# Altium PCB RUMBA32.PcbDoc (part 2 of 3) (continued)
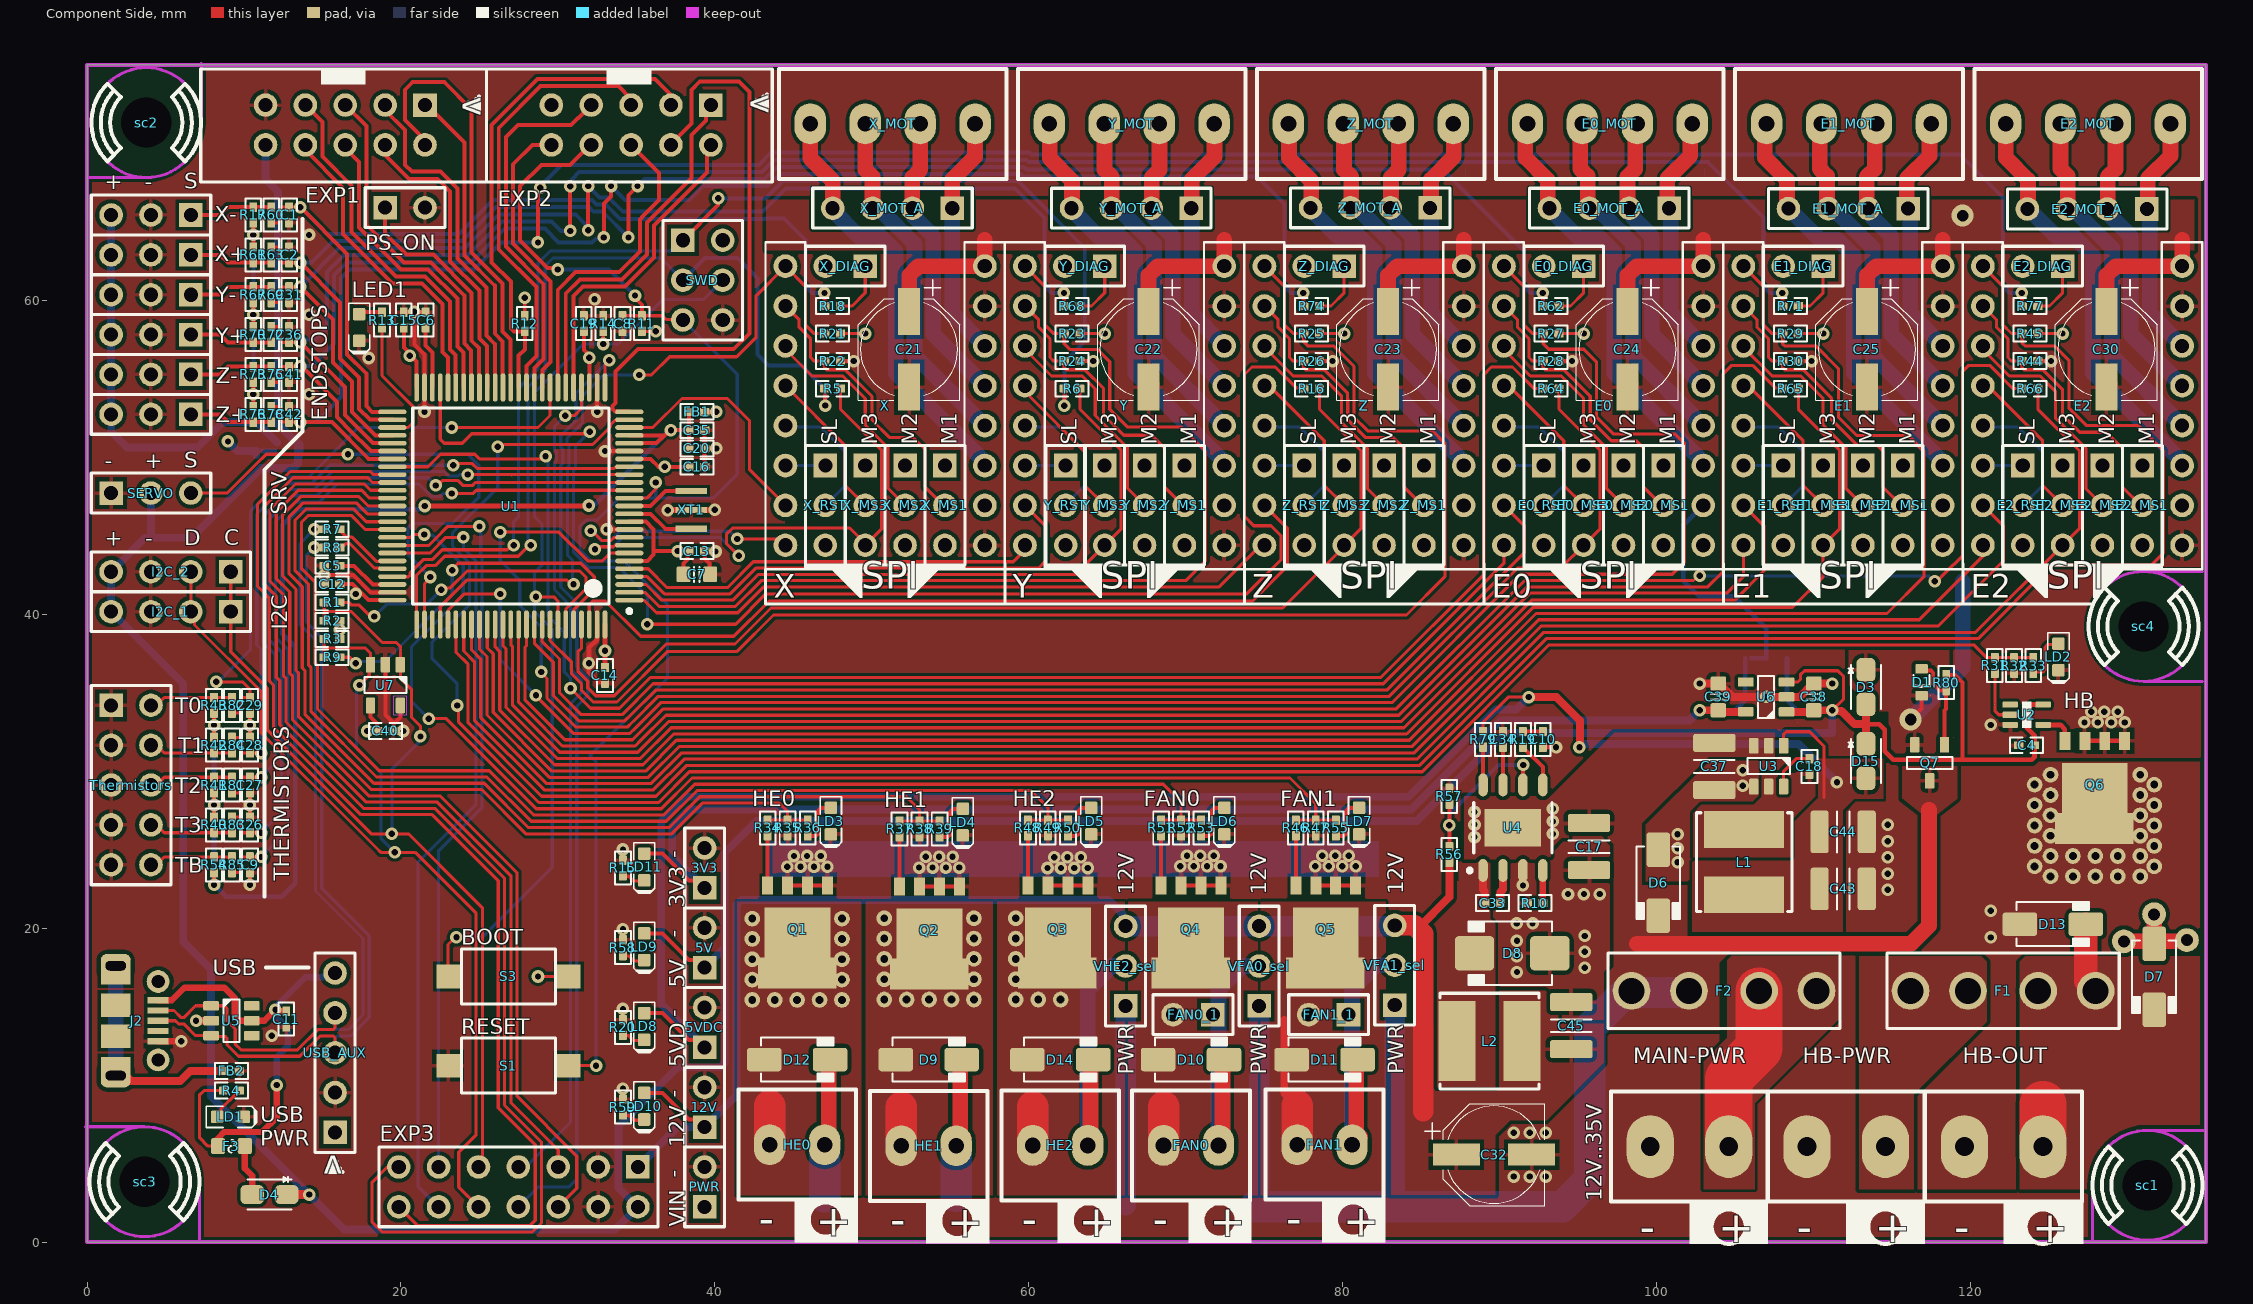
[diagram p0: Component Side view]
## Nets (pads, with @x,y where several pads share a name; then routed paths per layer and width w, separated by ;. In a path a pad name is that pad's centre, name@x,y a point inside that pad or via, vN(x,y) a via of type N, cw(c..) or ccw(c..) an arc to the next point about the centre after c; other vN are vias at no path point) (continued)
NetC33_2: C33.2 D8.K L2.1 U4.1 | length 2.8
  Component Side w0.4: D8.K@88.545,18.855 D8.K@89,18.4
  Component Side w0.5: U4.1@88.945,23.675 88.945,22.456 89.057,22.343 C33.2@89.057,21.596
NetC34_2: C34.2 U4.7 | length 2.4
  Component Side w0.254: U4.7@90.215,29.125 C34.2@90.215,31.526
NetD1_A: D1.A Q7.1 R80.1 | length 6
  Component Side w0.254: D1.A@116.889,36.514 116.993,36.411 117.481,36.411 117.63,36.262 117.63,35.565 118.044,35.152 118.444,35.152 R80.1@118.457,35.138 118.457,33.977 118.347,33.867 Q7.1@118.347,31.685
NetD4_A: D4.A F3.2 | length 3.3
  Component Side w0.4: F3.2@10.05,6.114 10.05,4.688 10.52,4.218 D4.A@10.52,3.026
NetD9_A: D9.A HE1.2 pad.2@50.791,15.451 pad.2@50.791,16.746 pad.2@50.791,18.042 pad.2@50.791,19.337 pad.2@50.791,20.632 pad.2@52.22,15.451 pad.2@53.649,15.451 pad.2@55.077,15.451 pad.2@56.506,15.451 pad.2@56.506,16.746 pad.2@56.506,18.042 pad.2@56.506,19.337 pad.2@56.506,20.632 Q2.2 | length 5
  Component Side w2: HE1.2@51.876,6.129 51.876,8.598
  Solder Side w2: HE1.2@51.876,6.129 51.876,8.638
NetD10_A: D10.A FAN0.2 FAN0_1.2 Q4.2 | length 2.5
  Component Side w2: FAN0.2@68.589,6.154 68.589,8.623
NetD10_K: D10.K FAN0.1 FAN0_1.1 VFA0_sel.2 | length 18.4
  Component Side w1: FAN0.1@72.089,6.154 72.35,6.415 D10.K@72.35,11.5
  Solder Side w1: FAN0.1@72.089,6.154 72.089,16.06 73.613,17.584 VFA0_sel.2@74.502,17.584
NetD11_A: D11.A FAN1.2 FAN1_1.2 Q5.2 | length 8.3
  Component Side w0.5: 76.28,14.155 76.28,11.627 76.28,9.492 77.098,8.674
  Component Side w2: FAN1.2@77.098,6.205 77.098,8.674
NetD11_K: D11.K FAN1.1 FAN1_1.1 VFA1_sel.2 | length 18.7
  Component Side w1: FAN1.1@80.598,6.205 FAN1.1@81.1,6.707 ; FAN1.1@80.859,6.466 D11.K@80.859,11.551
  Solder Side w1: FAN1.1@80.598,6.205 80.598,16.111 82.122,17.635 VFA1_sel.2@83.011,17.635
NetD12_A: D12.A HE0.2 pad.2@42.384,15.425 pad.2@42.384,16.721 pad.2@42.384,18.016 pad.2@42.384,19.312 pad.2@42.384,20.607 pad.2@43.812,15.425 pad.2@45.241,15.425 pad.2@46.67,15.425 pad.2@48.099,15.425 pad.2@48.099,16.721 pad.2@48.099,18.016 pad.2@48.099,19.312 pad.2@48.099,20.607 Q1.2 | length 4.9
  Component Side w2: HE0.2@43.494,6.205 43.494,8.674
  Solder Side w2: HE0.2@43.494,6.205 43.494,8.613
NetD13_A: D13.A HB-OUT.1 pad.2@124.087,23.934 pad.2@124.087,25.236 pad.2@124.087,26.538 pad.2@124.087,27.84 pad.2@124.087,29.141 pad.2@125.103,23.299 pad.2@125.103,24.595 pad.2@125.103,25.89 pad.2@125.103,27.186 pad.2@125.103,28.481 pad.2@125.103,29.776 pad.2@126.531,23.299 pad.2@126.531,24.595 pad.2@127.96,23.299 pad.2@127.96,24.595 pad.2@129.389,23.299 pad.2@129.389,24.595 pad.2@130.818,23.299 pad.2@130.818,24.595 pad.2@130.818,25.89 pad.2@130.818,27.186 pad.2@130.818,28.481 pad.2@130.818,29.776 pad.2@131.707,23.934 pad.2@131.707,25.236 pad.2@131.707,26.538 pad.2@131.707,27.84 pad.2@131.707,29.141 Q6.2
  other v1: 121.3,19.408 121.3,21.1
NetD14_A: D14.A HE2.2 pad.2@59.173,15.451 pad.2@59.173,16.746 pad.2@59.173,18.042 pad.2@59.173,19.337 pad.2@59.173,20.632 pad.2@60.602,15.451 pad.2@62.031,15.451 Q3.2 | length 4.9
  Component Side w2: HE2.2@60.258,6.154 60.258,8.623
  Solder Side w2: HE2.2@60.258,6.154 60.258,8.573
NetD14_K: D14.K HE2.1 VHE2_sel.2 | length 18.3
  Component Side w1: HE2.1@63.6,6.312 HE2.1@63.758,6.154 ; HE2.1@63.94,6.494 D14.K@63.94,11.579
  Solder Side w1: HE2.1@63.758,6.154 63.758,16.06 65.282,17.584 VHE2_sel.2@66.171,17.584
NetE0_2: E0.2 E0_MS1.2 R28.1 | length 18.9
  Component Side w0.2: E0.2@90.3,59.611 91.144,58.766 91.144,58.275 91.874,57.545 91.874,56.358 92.102,56.13 R28.1@92.781,56.13 92.781,55.693 92.898,55.576 94.091,55.576 95.78,53.888 95.78,52.394 97.119,51.055 98.695,51.055 99.174,50.576 99.174,48.096 E0_MS1.2@100.334,46.936
NetE0_3: E0.3 E0_MS2.2 | length 14.2
  Component Side w0.2: E0.3@90.274,56.866 91.964,55.176 93.926,55.176 95.354,53.748 95.354,52.058 96.804,50.608 96.804,48.026 E0_MS2.2@97.894,46.936
NetE0_4: E0.4 E0_MS3.2 | length 9.6
  Component Side w0.2: E0.4@90.583,54.556 94.084,51.055 94.084,48.206 E0_MS3.2@95.354,46.936
NetE0_5: E0.5 E0_RST.2 | length 8.3
  Solder Side w0.2: E0.5@90.37,51.92 92.518,51.92 94.084,50.354 94.084,48.206 E0_RST.2@92.814,46.936
NetE0_11: E0.11 E0_MOT.1 E0_MOT_A.4 | length 27.2
  Component Side w1: E0_MOT.1@91.643,71.295 91.643,69.098 93.068,67.673 E0_MOT_A.4@93.068,65.921
  Solder Side w1: E0_MOT_A.4@93.281,65.87 93.281,65.735 95.061,63.954 96.427,63.954 97.298,63.083 97.298,55.373 102.719,49.951 102.719,49.869 102.974,49.614 E0.11@102.974,49.476
NetE0_12: E0.12 E0_MOT.2 E0_MOT_A.3 | length 22.6
  Component Side w1: E0_MOT.2@95.143,71.295 95.143,68.392 95.608,67.927 E0_MOT_A.3@95.608,65.921
  Solder Side w1: E0_MOT_A.3@95.821,65.87 95.854,65.87 96.104,65.62 96.458,65.62 97.658,64.42 97.67,64.42 98.498,63.592 98.498,56.492 E0.12@102.974,52.016
NetE0_13: E0.13 E0_MOT.3 E0_MOT_A.2 | length 18.8
  Component Side w1: E0_MOT_A.2@98.148,65.921 98.148,67.876 98.643,68.372 E0_MOT.3@98.643,71.295
  Solder Side w1: E0_MOT_A.2@98.361,65.87 98.456,65.774 98.456,65.331 99.698,64.089 99.698,57.832 E0.13@102.974,54.556
NetE0_14: E0.14 E0_MOT.4 E0_MOT_A.1 | length 15.6
  Component Side w1: E0_MOT_A.1@100.688,65.921 100.688,67.749 102.143,69.205 E0_MOT.4@102.143,71.295
  Solder Side w1: E0_MOT_A.1@100.901,65.87 100.901,59.17 E0.14@102.974,57.096
NetE0_DIAG_1: E0_DIAG.1 R62.1 | length 3.6
  Component Side w0.2: R62.1@93.805,59.636 94.517,59.636 95.354,60.473 E0_DIAG.1@95.354,62.176
NetE1_2: E1.2 E1_MS1.2 R30.1 | length 18.7
  Component Side w0.2: E1.2@105.558,59.611 106.402,58.766 106.402,58.275 107.132,57.545 107.132,56.358 107.361,56.13 R30.1@108.039,56.13 108.039,55.693 108.156,55.576 109.35,55.576 111.14,53.786 111.14,52.43 112.824,50.746 114.074,50.746 114.432,50.388 114.432,48.096 E1_MS1.2@115.592,46.936
NetE1_3: E1.3 E1_MS2.2 | length 14.4
  Component Side w0.2: E1.3@105.532,57.096 105.532,57.015 107.371,55.176 109.184,55.176 110.613,53.748 110.613,52.058 112.062,50.608 112.062,48.026 E1_MS2.2@113.152,46.936
NetE1_4: E1.4 E1_MS3.2 | length 9.6
  Component Side w0.2: E1.4@105.841,54.556 109.342,51.055 109.342,48.206 E1_MS3.2@110.612,46.936
NetE1_5: E1.5 E1_RST.2 | length 8.3
  Solder Side w0.2: E1.5@105.629,51.92 107.776,51.92 109.342,50.354 109.342,48.206 E1_RST.2@108.072,46.936
NetE1_11: E1.11 E1_MOT.1 E1_MOT_A.4 | length 27
  Component Side w1: E1_MOT.1@106.893,71.295 106.893,69.098 108.318,67.673 E1_MOT_A.4@108.318,65.921
  Solder Side w1: E1_MOT_A.4@108.539,65.87 108.539,65.735 110.427,63.846 111.562,63.846 112.556,62.852 112.556,55.373 117.978,49.951 117.978,49.869 118.232,49.614 E1.11@118.232,49.476
NetE1_12: E1.12 E1_MOT.2 E1_MOT_A.3 | length 22.5
  Component Side w1: E1_MOT.2@110.393,71.295 110.393,68.392 110.858,67.927 E1_MOT_A.3@110.858,65.921
  Solder Side w1: E1_MOT_A.3@111.079,65.844 111.329,65.594 111.511,65.594 113.756,63.349 113.756,56.492 E1.12@118.232,52.016
NetE1_13: E1.13 E1_MOT.3 E1_MOT_A.2 | length 18.8
  Component Side w1: E1_MOT_A.2@113.398,65.921 113.398,67.876 113.893,68.372 E1_MOT.3@113.893,71.295
  Solder Side w1: E1_MOT_A.2@113.619,65.87 113.715,65.774 113.715,65.331 114.956,64.089 114.956,57.832 E1.13@118.232,54.556
NetE1_14: E1.14 E1_MOT.4 E1_MOT_A.1 | length 15.6
  Component Side w1: E1_MOT_A.1@115.938,65.921 115.938,67.749 117.393,69.205 E1_MOT.4@117.393,71.295
  Solder Side w1: E1_MOT_A.1@116.159,65.87 116.159,59.17 E1.14@118.232,57.096
NetE1_DIAG_1: E1_DIAG.1 R71.1 | length 3.6
  Component Side w0.2: R71.1@109.064,59.636 109.775,59.636 110.612,60.473 E1_DIAG.1@110.612,62.176
NetE2_2: E2.2 E2_MS1.2 R44.1 | length 18.9
  Component Side w0.2: E2.2@120.816,59.611 121.661,58.766 121.661,58.275 122.391,57.545 122.391,56.358 122.619,56.13 R44.1@123.297,56.13 123.297,55.693 123.414,55.576 124.608,55.576 125.871,54.313 125.871,52.682 126.954,51.599 128.668,51.599 129.691,50.576 129.691,48.096 E2_MS1.2@130.851,46.936
NetE2_3: E2.3 E2_MS2.2 | length 14.2
  Component Side w0.2: E2.3@120.791,56.866 122.481,55.176 124.442,55.176 125.414,54.204 125.414,52.515 127.361,50.568 127.361,47.986 E2_MS2.2@128.411,46.936
NetE2_4: E2.4 E2_MS3.2 | length 9.6
  Component Side w0.2: E2.4@121.099,54.556 124.601,51.055 124.601,48.206 E2_MS3.2@125.871,46.936
NetE2_5: E2.5 E2_RST.2 | length 8.3
  Solder Side w0.2: E2.5@120.887,51.92 123.034,51.92 124.601,50.354 124.601,48.206 E2_RST.2@123.331,46.936
NetE2_11: E2.11 E2_MOT.1 E2_MOT_A.4 | length 27
  Component Side w1: E2_MOT.1@122.243,71.295 E2_MOT.1@122.243,71.244 122.243,69.098 123.668,67.673 E2_MOT_A.4@123.668,65.921
  Solder Side w1: E2_MOT_A.4@123.797,65.87 123.797,65.735 125.445,64.087 126.563,64.087 127.814,62.835 127.814,55.373 133.236,49.951 133.236,49.869 133.491,49.614 E2.11@133.491,49.476
NetE2_12: E2.12 E2_MOT.2 E2_MOT_A.3 | length 22.5
  Component Side w1: E2_MOT.2@125.743,71.295 125.743,68.392 126.208,67.927 E2_MOT_A.3@126.208,65.921
  Solder Side w1: E2_MOT_A.3@126.337,65.87 126.337,65.785 126.399,65.723 126.623,65.723 129.014,63.332 129.014,56.492 E2.12@133.491,52.016
NetE2_13: E2.13 E2_MOT.3 E2_MOT_A.2 | length 18.8
  Component Side w1: E2_MOT_A.2@128.748,65.921 128.748,67.876 129.243,68.372 E2_MOT.3@129.243,71.295
  Solder Side w1: E2_MOT_A.2@128.877,65.87 128.973,65.774 128.973,65.331 130.214,64.089 130.214,57.832 E2.13@133.491,54.556
NetE2_14: E2.14 E2_MOT.4 E2_MOT_A.1 | length 15.6
  Component Side w1: E2_MOT_A.1@131.288,65.921 131.288,67.749 132.743,69.205 E2_MOT.4@132.743,71.244 E2_MOT.4@132.743,71.295
  Solder Side w1: E2_MOT_A.1@131.417,65.87 131.417,59.17 E2.14@133.491,57.096
NetE2_DIAG_1: E2_DIAG.1 R77.1 | length 3.6
  Component Side w0.2: R77.1@124.322,59.636 125.033,59.636 125.871,60.473 E2_DIAG.1@125.871,62.176
NetF1_0: F1.0 HB-PWR.2
NetF2_1: F2.1 MAIN-PWR.2 | length 10.7
  Component Side w3: MAIN-PWR.2@104.601,6.078 104.601,10.414 106.535,12.348 F2.1@106.535,16.004
NetFB2_1: FB2.1 J2.SHIELD USB_AUX.1 | length 31.2
  Component Side w0.2: J2.SHIELD@1.825,17.15 J2.SHIELD@2.696,18.021
  Component Side w0.5: J2.SHIELD@1.825,11.05 2.025,11.05 2.817,10.258 5.933,10.258 6.575,10.9 FB2.1@8.7,10.9
  Power Plane w0.4: J2.SHIELD@1.825,10.6 2.525,9.9 8.7,9.9 11.62,6.98 USB_AUX.1@15.8,6.98
  Solder Side w1: J2.SHIELD@1.825,10.6 J2.SHIELD@1.825,17.6
NetLD1_1: LD1.1 R4.1 | length 2.3
  Component Side w0.2: LD1.1@8.288,7.971 8.537,8.221 8.537,8.487 9.5,9.45 9.5,9.5 9.65,9.65 R4.1@9.7,9.65
  Component Side w0.254: LD1.1@8.403,7.921 LD1.1@8.453,7.921
NetLD2_1: LD2.1 R33.1 | length 3.5
  Component Side w0.2: R33.1@124.005,36.225 124.107,36.327 124.632,36.327 124.749,36.444 124.749,37.893 124.932,38.076 LD2.1@125.407,38.076 ; LD2.1@125.407,37.892 LD2.1@125.407,38.076 ; LD2.1@125.407,38.126 LD2.1@125.407,38.076 ; LD2.1@125.607,38.126 125.557,38.076 LD2.1@125.407,38.076
NetLD3_1: LD3.1 R36.1 | length 3.1
  Component Side w0.254: R36.1@45.914,25.881 45.939,25.856 46.414,25.856 46.57,26.012 46.57,27.47 46.761,27.661 47.386,27.661 LD3.1@47.393,27.668
NetLD4_1: LD4.1 R39.1 | length 3.1
  Component Side w0.254: R39.1@54.319,25.818 54.344,25.793 54.819,25.793 54.975,25.949 54.975,27.407 55.166,27.597 55.791,27.597 LD4.1@55.798,27.605
NetLD5_1: LD5.1 R50.1 | length 3.1
  Component Side w0.254: R50.1@62.499,25.881 62.524,25.856 62.999,25.856 63.155,26.012 63.155,27.47 63.346,27.661 63.971,27.661 LD5.1@63.978,27.668
NetLD6_1: LD6.1 R53.1 | length 3.1
  Component Side w0.254: R53.1@70.982,25.881 71.007,25.856 71.482,25.856 71.638,26.012 71.638,27.47 71.829,27.661 72.454,27.661 LD6.1@72.461,27.668
NetLD7_1: LD7.1 R55.1 | length 3.1
  Component Side w0.254: R55.1@79.567,25.881 79.592,25.856 80.067,25.856 80.223,26.012 80.223,27.47 80.414,27.661 81.038,27.661 LD7.1@81.046,27.668
NetLD8_2: LD8.2 R20.2 | length 1.5
  Component Side w0.2: R20.2@34.142,13.173 34.167,13.148 34.511,13.148 34.823,12.835 35.448,12.835 LD8.2@35.498,12.885
NetLD9_2: LD9.2 R58.2 | length 1.5
  Component Side w0.2: R58.2@34.142,18.253 34.167,18.228 34.511,18.228 34.823,17.915 35.448,17.915 LD9.2@35.498,17.965
NetLD10_2: LD10.2 R59.2 | length 1.5
  Component Side w0.2: R59.2@34.142,8.093 34.167,8.068 34.511,8.068 34.823,7.755 35.448,7.755 LD10.2@35.498,7.805
NetLD11_2: LD11.2 R15.2 | length 1.5
  Component Side w0.2: R15.2@34.141,23.333 34.166,23.308 34.511,23.308 34.823,22.995 35.448,22.995 LD11.2@35.498,23.045
NetLED1_1: LED1.1 R13.1 | length 1.5
  Component Side w0.254: LED1.1@17.336,59.119 17.488,59.271 18.767,59.271 R13.1@18.791,59.246
NetQ1_1: Q1.1 R34.2 | length 3.2
  Component Side w0.254: Q1.1@43.364,22.727 R34.2@43.364,25.881
NetQ2_1: Q2.1 R37.2 | length 3.2
  Component Side w0.254: Q2.1@51.769,22.664 R37.2@51.769,25.818
NetQ3_1: Q3.1 R48.2 | length 3.2
  Component Side w0.254: Q3.1@59.949,22.727 R48.2@59.949,25.881
NetQ4_1: Q4.1 R51.2 | length 3.2
  Component Side w0.254: Q4.1@68.432,22.727 R51.2@68.432,25.881
NetQ5_1: Q5.1 R46.2 | length 3.2
  Component Side w0.254: Q5.1@77.017,22.727 R46.2@77.017,25.881
NetQ6_1: Q6.1 U2.4 | length 2.2
  Component Side w0.3: U2.4@124.63,32.946 125.75,32.946 126.017,32.679 Q6.1@126.017,31.935
NetR1_1: R1.1 U1.95 | length 20.9
  Component Side w0.2: R1.1@16.112,40.754 16.665,40.754 16.823,40.596 17.319,40.596 18.052,39.863 v1(18.299,39.863) ; v1(22.569,41.565) 22.684,41.68 23.143,41.68 24.214,42.751 31.391,42.751 31.789,42.353 31.789,41.628 30.518,40.357 30.518,39.365 U1.95@30.499,39.346
  Solder Side w0.2: v1(18.299,39.863) 19.083,40.646 21.65,40.646 v1(22.569,41.565)
NetR9_1: R9.1 U1.96 | length 23.9
  Component Side w0.2: R9.1@16.112,37.258 16.73,37.258 v1(17.113,36.875) ; v1(23.269,42.796) 23.269,42.883 23.638,43.251 31.456,43.251 32.311,42.396 32.311,41.584 31.018,40.291 31.018,39.365 U1.96@30.999,39.346
  Solder Side w0.2: v1(17.113,36.875) 17.228,36.99 18.984,36.99 23.269,41.275 v1(23.269,42.796)
NetR10_2: R10.2 U4.4 | length 2.1
  Component Side w0.4: R10.2@92.755,21.596 U4.4@92.755,23.675
NetR17_2: R17.2 R60.1 X-.1 | length 5.3
  Component Side w0.254: X-.1@6.612,65.438 8.473,65.438 8.973,65.938 R17.2@10.59,65.938 R60.1@11.733,65.938
NetR18_1: R18.1 X_DIAG.1 | length 3.6
  Component Side w0.2: R18.1@48.031,59.636 48.742,59.636 49.579,60.473 X_DIAG.1@49.579,62.176
NetR19_2: R19.2 U4.5 | length 3
  Component Side w0.254: R19.2@91.485,31.526 91.485,31.476 91.608,31.353 91.658,31.353 92.755,30.256 U4.5@92.755,29.125
NetR22_1: R22.1 X.2 X_MS1.2 | length 19
  Component Side w0.2: X.2@44.499,59.636 44.499,59.611 44.525,59.611 45.369,58.766 45.369,58.275 46.099,57.545 46.099,56.358 46.327,56.13 R22.1@47.006,56.13 47.006,55.693 47.123,55.576 48.316,55.576 50.012,53.881 50.012,52.379 51.122,51.269 52.623,51.269 53.399,50.493 53.399,48.096 X_MS1.2@54.559,46.936
  Component Side w0.254: X_MS1.2@54.559,46.936 X_MS1.2@54.659,46.936
NetR24_1: R24.1 Y.2 Y_MS1.2 | length 19
  Component Side w0.2: Y.2@59.783,59.611 60.627,58.766 60.627,58.275 61.357,57.545 61.357,56.358 61.586,56.13 R24.1@62.264,56.13 62.264,55.693 62.381,55.576 63.575,55.576 64.763,54.388 64.763,52.698 66.058,51.403 67.83,51.403 68.657,50.576 68.657,48.096 Y_MS1.2@69.817,46.936
NetR26_1: R26.1 Z.2 Z_MS1.2 | length 19
  Component Side w0.2: Z.2@75.041,59.611 75.886,58.766 75.886,58.275 76.616,57.545 76.616,56.358 76.844,56.13 R26.1@77.522,56.13 77.522,55.693 77.639,55.576 78.833,55.576 80.318,54.091 80.318,53.702 80.324,53.696 80.324,52.396 81.467,51.253 83.239,51.253 83.916,50.576 83.916,48.096 Z_MS1.2@85.076,46.936
NetR31_2: R31.2 U2.2 | length 3.5
  Component Side w0.2: R31.2@121.555,36.238 121.555,33.841 121.8,33.596 U2.2@122.53,33.596
NetR56_2: R56.2 R57.2 U4.6 | length 10.7
  Component Side w0.254: R56.2@86.8,25.2 R57.2@86.8,27.9 ; U4.6@91.499,29.141 v1(91.499,30.396)
  Solder Side w0.254: v1(86.8,26.55) 86.8,27.278 89.918,30.396 v1(91.499,30.396)
NetR61_2: R61.2 R63.1 X+.1 | length 5.3
  Component Side w0.254: X+.1@6.612,62.898 8.473,62.898 8.973,62.398 R61.2@10.59,62.398 ; R61.2@10.59,62.398 R63.1@11.733,62.398
NetR67_2: R67.2 R69.1 Y-.1 | length 5.3
  Component Side w0.254: Y-.1@6.612,60.358 8.473,60.358 8.973,60.858 R67.2@10.59,60.858 R69.1@11.733,60.858
NetR68_1: R68.1 Y_DIAG.1 | length 3.6
  Component Side w0.2: R68.1@63.289,59.636 64,59.636 64.837,60.473 Y_DIAG.1@64.837,62.176
NetR70_2: R70.2 R72.1 Y+.1 | length 5.3
  Component Side w0.254: Y+.1@6.612,57.818 8.473,57.818 8.973,57.318 R70.2@10.59,57.318 ; R70.2@10.59,57.318 R72.1@11.733,57.318
NetR73_2: R73.2 R75.1 Z-.1 | length 5.3
  Component Side w0.254: Z-.1@6.612,55.278 8.473,55.278 8.973,55.778 R73.2@10.59,55.778 R75.1@11.733,55.778
NetR74_1: R74.1 Z_DIAG.1 | length 3.6
  Component Side w0.2: R74.1@78.547,59.636 79.258,59.636 80.096,60.473 Z_DIAG.1@80.096,62.176
NetR76_2: R76.2 R78.1 Z+.1 | length 5.3
  Component Side w0.254: Z+.1@6.612,52.738 8.473,52.738 8.973,52.238 R76.2@10.59,52.238 ; R76.2@10.59,52.238 R78.1@11.733,52.238
NetR79_1: R79.1 U4.8 | length 2.4
  Component Side w0.254: U4.8@88.945,29.125 R79.1@88.945,31.526
NetU1_12: U1.12 XT1.3 | length 4.3
  Component Side w0.254: U1.12@34.549,46.396 35.899,46.396 36.849,45.446 XT1.3@38.499,45.446
NetU1_13: U1.13 XT1.1 | length 4.3
  Component Side w0.254: U1.13@34.549,46.896 35.899,46.896 36.849,47.846 XT1.1@38.499,47.846
NetX_3: X.3 X_MS2.2 | length 14.5
  Component Side w0.2: X.3@44.499,57.096 44.499,56.866 46.189,55.176 48.151,55.176 49.579,53.748 49.579,52.058 51.029,50.608 51.029,48.026 X_MS2.2@52.119,46.936
NetX_4: X.4 X_MS3.2 | length 9.7
  Component Side w0.2: X.4@44.499,54.556 48.309,50.746 48.309,48.206 X_MS3.2@49.579,46.936
NetX_5: X.5 X_RST.2 | length 8.7
  Component Side w0.2: X.5@44.245,52.016 X.5@44.499,52.016
  Solder Side w0.2: X.5@44.499,52.016 44.595,51.92 46.743,51.92 48.309,50.354 48.309,48.206 X_RST.2@47.039,46.936
NetX_11: X.11 X_MOT.1 X_MOT_A.4 | length 27.2
  Component Side w1: X_MOT.1@46.081,71.244 46.081,69.047 47.506,67.622 X_MOT_A.4@47.506,65.87
  Solder Side w1: X_MOT_A.4@47.506,65.87 47.506,65.735 49.153,64.087 50.531,64.087 51.523,63.095 51.523,55.373 56.944,49.951 56.944,49.869 57.199,49.614 X.11@57.199,49.476
NetX_12: X.12 X_MOT.2 X_MOT_A.3 | length 22.6
  Component Side w1: X_MOT.2@49.581,71.244 49.581,68.341 50.046,67.876 X_MOT_A.3@50.046,65.87
  Solder Side w1: X_MOT_A.3@50.046,65.87 50.141,65.774 50.541,65.774 52.723,63.592 52.723,56.492 X.12@57.199,52.016
NetX_13: X.13 X_MOT.3 X_MOT_A.2 | length 18.8
  Component Side w1: X_MOT_A.2@52.586,65.87 52.586,67.826 53.081,68.321 X_MOT.3@53.081,71.244
  Solder Side w1: X_MOT_A.2@52.586,65.87 52.681,65.774 52.681,65.331 53.923,64.089 53.923,57.832 X.13@57.199,54.556
NetX_14: X.14 X_MOT.4 X_MOT_A.1 | length 15.6
  Component Side w1: X_MOT_A.1@55.126,65.87 55.126,67.699 56.581,69.154 X_MOT.4@56.581,71.244
  Solder Side w1: X_MOT_A.1@55.126,65.87 55.126,59.17 X.14@57.199,57.096
NetY_3: Y.3 Y_MS2.2 | length 14.2
  Component Side w0.2: Y.3@59.757,56.866 61.447,55.176 63.409,55.176 64.232,54.353 64.232,52.664 66.287,50.608 66.287,48.026 Y_MS2.2@67.377,46.936
NetY_4: Y.4 Y_MS3.2 | length 9.7
  Component Side w0.2: Y.4@59.757,54.556 59.757,54.202 60.107,53.852 60.107,53.814 63.567,50.354 63.567,48.206 Y_MS3.2@64.837,46.936
NetY_5: Y.5 Y_RST.2 | length 8.3
  Solder Side w0.2: Y.5@59.854,51.92 62.001,51.92 63.567,50.354 63.567,48.206 Y_RST.2@62.298,46.936
NetY_11: Y.11 Y_MOT.1 Y_MOT_A.4 | length 27.2
  Component Side w1: Y_MOT.1@61.331,71.244 61.331,69.047 62.756,67.622 Y_MOT_A.4@62.756,65.87
  Solder Side w1: Y_MOT_A.4@62.764,65.87 62.764,65.735 64.412,64.087 65.79,64.087 66.781,63.095 66.781,55.373 72.203,49.951 72.203,49.869 72.457,49.614 Y.11@72.457,49.476
NetY_12: Y.12 Y_MOT.2 Y_MOT_A.3 | length 22.6
  Component Side w1: Y_MOT.2@64.831,71.244 64.831,68.341 65.296,67.876 Y_MOT_A.3@65.296,65.87
  Solder Side w1: Y_MOT_A.3@65.304,65.87 65.4,65.774 65.8,65.774 67.981,63.592 67.981,56.492 Y.12@72.457,52.016
NetY_13: Y.13 Y_MOT.3 Y_MOT_A.2 | length 18.8
  Component Side w1: Y_MOT_A.2@67.836,65.87 67.836,67.826 68.331,68.321 Y_MOT.3@68.331,71.244
  Solder Side w1: Y_MOT_A.2@67.844,65.87 67.94,65.774 67.94,65.331 69.181,64.089 69.181,57.832 Y.13@72.457,54.556
NetY_14: Y.14 Y_MOT.4 Y_MOT_A.1 | length 15.6
  Component Side w1: Y_MOT_A.1@70.376,65.87 70.376,67.699 71.831,69.154 Y_MOT.4@71.831,71.244
  Solder Side w1: Y_MOT_A.1@70.384,65.87 70.384,59.17 Y.14@72.457,57.096
NetZ_3: Z.3 Z_MS2.2 | length 14.2
  Component Side w0.2: Z.3@75.016,56.866 75.161,56.866 76.851,55.176 78.667,55.176 79.918,53.925 79.918,52.236 81.586,50.568 81.586,47.986 Z_MS2.2@82.636,46.936
NetZ_4: Z.4 Z_MS3.2 | length 9.6
  Component Side w0.2: Z.4@75.325,54.556 78.826,51.055 78.826,48.206 Z_MS3.2@80.096,46.936
NetZ_5: Z.5 Z_RST.2 | length 8.3
  Solder Side w0.2: Z.5@75.112,51.92 77.26,51.92 78.826,50.354 78.826,48.206 Z_RST.2@77.556,46.936
NetZ_11: Z.11 Z_MOT.1 Z_MOT_A.4 | length 27.2
  Component Side w1: Z_MOT.1@76.581,71.244 76.581,69.047 78.006,67.622 Z_MOT_A.4@78.006,65.87
  Solder Side w1: Z_MOT_A.4@78.022,65.87 78.022,65.735 79.67,64.087 81.048,64.087 82.039,63.095 82.039,55.373 87.461,49.951 87.461,49.869 87.716,49.614 Z.11@87.716,49.476
NetZ_12: Z.12 Z_MOT.2 Z_MOT_A.3 | length 22.6
  Component Side w1: Z_MOT.2@80.081,71.244 80.081,68.341 80.546,67.876 Z_MOT_A.3@80.546,65.87
  Solder Side w1: Z_MOT_A.3@80.562,65.87 80.658,65.774 81.058,65.774 83.239,63.592 83.239,56.493 Z.12@87.716,52.016
NetZ_13: Z.13 Z_MOT.3 Z_MOT_A.2 | length 18.8
  Component Side w1: Z_MOT_A.2@83.086,65.87 83.086,67.826 83.581,68.321 Z_MOT.3@83.581,71.244
  Solder Side w1: Z_MOT_A.2@83.102,65.87 83.198,65.774 83.198,65.331 84.439,64.09 84.439,57.833 Z.13@87.716,54.556
NetZ_14: Z.14 Z_MOT.4 Z_MOT_A.1 | length 15.6
  Component Side w1: Z_MOT_A.1@85.626,65.87 85.626,67.699 87.081,69.154 Z_MOT.4@87.081,71.244
  Solder Side w1: Z_MOT_A.1@85.642,65.87 85.642,59.17 Z.14@87.716,57.096
PA3: EXP3.8 U1.26 | length 60.9
  Component Side w0.2: U1.26@32.999,54.446 32.999,55.918 v1(33.269,56.188)
  Solder Side w0.2: EXP3.8@27.479,2.243 28.739,3.502 30.699,3.502 31.202,4.006 31.202,34.121 31.902,34.821 31.902,35.956 31.202,36.656 31.202,40.713 30.183,41.733 30.183,49.478 30.312,49.607 30.312,50.519 30.183,50.648 30.183,51.369 31.175,52.361 31.175,52.941 31.151,52.965 31.151,54.07 v1(33.269,56.188)
PA4: EXP3.7 U1.29 | length 53.5
  Component Side w0.2: v1(30.475,52.651) 31.04,52.651 31.499,53.111 U1.29@31.499,54.446
  Solder Side w0.2: EXP3.7@27.479,4.783 27.946,4.783 30.802,7.639 30.802,34.286 31.502,34.986 31.502,35.79 30.802,36.49 30.802,40.548 29.783,41.567 29.783,49.644 29.912,49.773 29.912,50.353 29.783,50.482 29.783,51.959 v1(30.475,52.651)
PA9: EXP3.11 U1.68 | length 48.1
  Component Side w0.2: U1.68@19.449,44.396 19.465,44.38 21.766,44.38 22.176,44.79 22.982,45.596 v1(24.999,45.596)
  Solder Side w0.2: EXP3.11@22.399,4.783 22.399,24.934 25.169,27.704 25.169,43.583 25.08,43.672 25.08,45.515 v1(24.999,45.596)
PA10: EXP3.12 U1.69 | length 50
  Component Side w0.2: U1.69@19.449,43.896 21.848,43.896 22.848,44.896 v1(23.982,44.896)
  Solder Side w0.2: EXP3.12@22.399,2.243 21.077,3.565 21.077,6.783 21.077,24.178 24.769,27.87 24.769,43.417 23.982,44.204 v1(23.982,44.896)
PD12: EXP3.14 U1.59 | length 74.5
  Component Side w0.2: U1.59@19.449,48.896 18.252,48.896 18.052,49.096 12.952,49.096 10.857,47.001 10.857,41.773 11.607,41.023 11.607,35.757 11.878,35.486 11.878,32.798 17.446,27.23 21.986,27.23 26.2,23.016 26.2,8.555 28.556,6.199 28.556,1.382 28.209,1.035 21.067,1.035 EXP3.14@19.859,2.243
PD13: EXP3.13 U1.60 | length 80.8
  Component Side w0.2: U1.60@19.449,48.396 18.186,48.396 17.886,48.696 13.118,48.696 11.257,46.835 11.257,41.938 12.057,41.138 12.057,35.974 12.278,35.754 12.278,32.964 17.611,27.63 22.152,27.63 26.6,23.182 26.6,8.721 28.956,6.365 28.956,1.216 28.375,0.635 18.796,0.635 18.161,1.27 18.161,3.81 19.134,4.783 EXP3.13@19.859,4.783 ; EXP3.13@19.859,4.953 EXP3.13@19.944,4.868
PD14: EXP3.5 U1.61 | length 60.8
  Component Side w0.2: U1.61@19.449,47.896 18.057,47.896 17.657,48.296 13.284,48.296 11.657,46.67 11.657,42.104 12.507,41.254 12.507,36.09 12.678,35.92 12.678,33.13 17.777,28.03 22.318,28.03 27,23.348 27,8.886 30.019,5.867 EXP3.5@30.019,4.783
PD15: EXP3.6 U1.62 | length 63.5
  Component Side w0.2: U1.62@19.449,47.396 17.991,47.396 17.491,47.896 13.45,47.896 12.057,46.504 12.057,42.27 12.912,41.415 12.912,36.251 13.078,36.085 13.078,33.295 17.943,28.43 22.483,28.43 27.4,23.513 27.4,9.278 31.202,5.476 31.202,3.426 EXP3.6@30.019,2.243
PS_ON: PS_ON.1 U1.42 | length 15
  Component Side w0.254: PS_ON.1@18.991,65.904 18.991,64.263 20.344,62.91 22.071,62.91 24.499,60.481 24.499,57.426 24.976,56.949 24.976,55.232 24.999,55.209 U1.42@24.999,54.446
RESET: C8.2 EXP2.8 R11.1 S1.1 SWD.5 U1.14 | length 91.1
  Component Side w0.2: S1.1@30.7,11.238 v1(32.432,11.238) ; C8.2@34.117,59.022 R11.1@35.35,59.022 36.664,59.022 36.909,58.777 37.928,58.777 SWD.5@37.959,58.746 ; U1.14@34.549,47.396 35.649,47.396 36.235,47.982 v1(36.235,48.396)
  Component Side w0.254: v1(29.989,61.966) 29.905,62.051 29.339,62.051 27.592,63.798 27.592,67.271 28.955,68.634 30.779,68.634 32.049,69.904 EXP2.8@32.123,69.904 ; v1(34.912,60.304) 34.912,60.156 35.35,59.719 R11.1@35.35,59.022
  Solder Side w0.2: v1(32.432,11.238) 32.432,30.597 32.038,30.991 36.987,35.94 36.987,40.608 34.199,43.396 32.11,43.396 31.399,44.107 31.399,45.596 31.809,46.006 32.502,46.006 33.892,47.396 36.244,47.396 ; v1(36.235,48.396) 36.235,47.405 36.244,47.396 ; SWD.5@37.959,58.746 41.423,55.282 41.423,48.927 39.892,47.396 36.244,47.396
  Solder Side w0.254: v1(29.989,61.966) 33.25,61.966 v1(34.912,60.304)
SCL: EXP3.9 I2C_1.1 I2C_2.1 R1.2 R2.1 U7.1 | length 66.4
  Component Side w0.2: I2C_2.1@9.152,42.705 I2C_1.1@9.152,40.165 9.152,37.603 11.478,35.277 11.478,32.633 18.104,26.006 v1(19.417,26.006) 20.479,26.006 24.484,22 25.188,21.297 25.188,4.945 EXP3.9@25.014,4.772 ; R2.1@15.112,39.589 15.112,40.172 ; R1.2@15.112,40.754 15.112,40.172 ; v1(21.242,32.216) 21.242,32.871 20.66,33.453 20.66,35.227 19.959,35.928 U7.1@19.959,36.786 19.959,37.943 19.705,38.196 18.812,38.196 16.837,40.172 15.112,40.172
  Solder Side w0.2: v1(19.417,26.006) 19.417,30.126 21.127,31.836 21.127,32.101 v1(21.242,32.216) ; EXP3.9@24.786,4.783 EXP3.9@24.939,4.783
SD_CSEL: EXP2.4 U1.25 | length 37.1
  Component Side w0.254: U1.25@34.549,52.896 34.54,52.905 33.652,52.905 33.489,53.068 33.489,53.278 33.68,53.469 33.68,55.467 35.099,56.886 41.203,56.886 42.2,57.883 42.2,73.283 41.536,73.947 39.038,73.947 38.499,73.409 38.499,71.261 37.203,69.965 EXP2.4@37.203,69.904
  Solder Side w0.254: EXP2.4@37.203,69.904 EXP2.4@37.203,70.198
SD_DET: EXP2.7 U1.35 | length 23.5
  Component Side w0.254: U1.35@28.499,54.446 28.499,55.688 29.081,56.27 29.081,61.025 26.684,63.422 26.684,70.4 27.459,71.174 30.835,71.174 31.289,71.628 31.307,71.628 EXP2.7@32.123,72.444
SDA: EXP3.10 I2C_1.2 I2C_2.2 R3.1 R9.2 U7.3 | length 68.6
  Component Side w0.2: I2C_2.2@6.612,42.705 I2C_1.2@6.612,40.165 6.847,39.93 6.847,39.315 11.078,35.084 11.078,32.636 11.076,32.634 11.076,32.469 17.169,26.376 18.44,25.105 18.717,24.828 v1(19.605,24.828) 20.901,24.828 24.788,20.941 24.788,6.828 23.682,5.723 23.682,3.5 EXP3.10@24.939,2.243 ; R9.2@15.112,37.258 15.112,37.841 ; R3.1@15.112,38.423 15.112,37.841 ; v1(17.358,35.486) 17.975,36.104 17.975,36.703 U7.3@18.059,36.786 18.059,37.518 17.737,37.841 15.112,37.841
  Solder Side w0.2: v1(17.358,35.486) 17.358,35.324 17.159,35.125 17.159,31.477 18.717,29.919 18.717,25.716 v1(19.605,24.828)
SERVO: SERVO.3 U1.77 | length 33.9
  Component Side w0.2: SERVO.3@6.612,47.722 8.932,47.722 10.206,48.995 10.781,49.57 11.407,50.196 v1(16.618,50.196) ; U1.77@21.499,39.346 21.499,41.934 21.874,42.309 v1(21.874,42.372)
  Solder Side w0.2: v1(16.618,50.196) 24.252,50.196 24.952,49.496 24.952,47.457 23.275,45.78 20.71,45.78 20.459,45.529 20.459,43.787 v1(21.874,42.372)